# KiCad board EBAZ4205.kicad_pcb (continued)
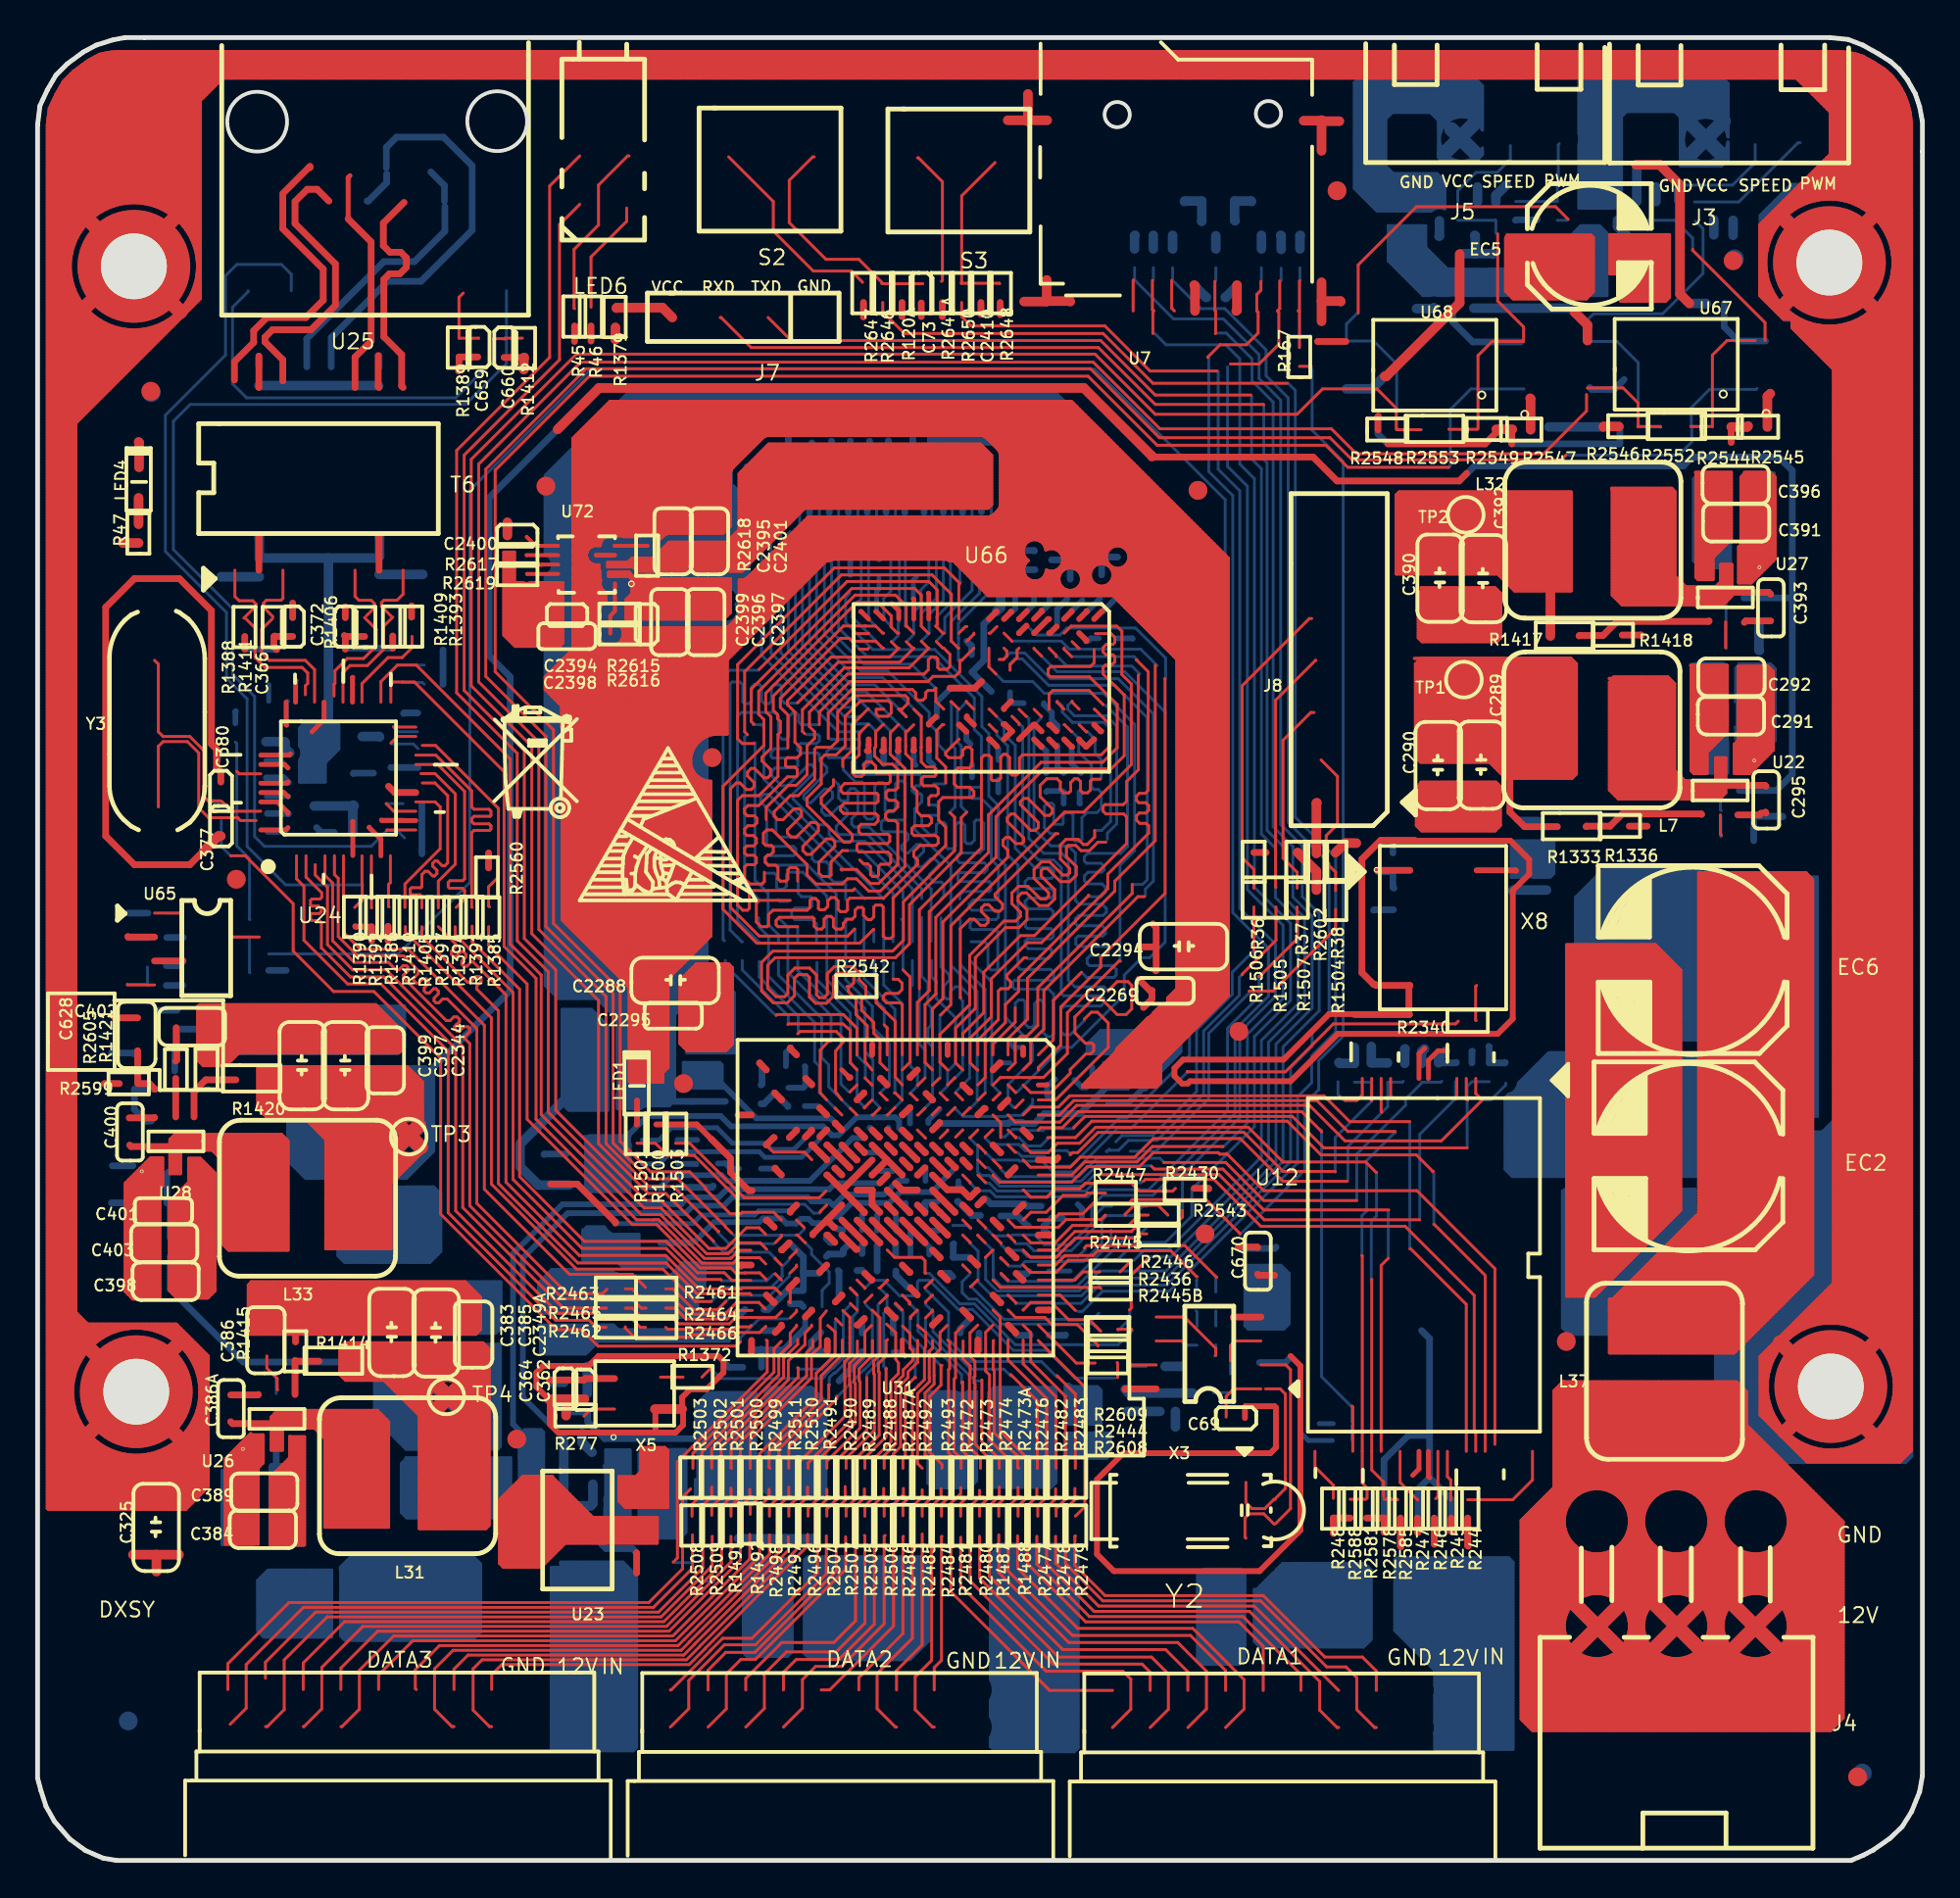
[diagram p0: board, top side]
## Routing (per net, layer and track width the routed paths; a pad name or vN(x,y) marks a point on that pad's centre or on a via; arc(x,y) is an arc through that point) (continued)
91.97,85.31 ; 95.58,52.4 99.7,52.4 ; 0.52,60.17 2.02,60.17 ; 0.52,75.41 2.02,75.41 ; 2.41,86.88 2.41,95.59 ; 95.58,56.66 99.7,56.66 ; 8.05,18.87 8.05,23.03 ; 95.4,91.26 99.7,91.26 ; 34.56,94.87 34.56,96.27 ; 0.52,87.29 2.77,87.29 ; 95.58,31.97 99.7,31.97 ; 56.2,94.87 56.2,96.27 ; 6.77,21.92 9.07,21.92 ; 0.52,72.82 2.02,72.82 ; 0.52,29.54 2.02,29.54 ; 0.52,48.74 2.02,48.74 ; 33.19,94.87 33.19,96.27 ; 84.86,94.87 84.86,96.27 ; 0.52,69.01 2.02,69.01 ; 93.24,82.04 93.24,82.39 ; 95.83,21.22 95.83,21.86 ; 93.7,94.78 93.7,96.27 ; 25.42,94.87 25.42,96.27 ; 48.13,94.87 48.13,96.27 ; 98.11,87.02 98.11,95.44 ; 95.4,92.63 99.69,92.63 ; 95.58,54.53 99.7,54.53 ; 8.29,83.64 8.65,83.64 ; 0.52,53.77 2.02,53.77 ; 95.58,37.92 99.7,37.92 ; 95.58,31.67 99.7,31.67 ; 95.58,61.39 99.7,61.39 ; 0.52,49.96 2.02,49.96 ; 95.09,90.5 99.7,90.5 ; 62.15,94.87 62.15,96.27 ; 0.63,93.24 8.65,93.24 ; 98.67,85.77 99.7,85.77 ; 73.27,94.87 73.27,96.27 ; 25.12,94.87 25.12,96.27 ; 7.59,82.07 7.59,82.52 ; 95.58,40.66 99.7,40.66 ; 95.4,91.71 99.7,91.71 ; 37.15,94.87 37.15,96.27 ; 95.58,41.57 99.7,41.57 ; 57.58,94.87 57.58,96.27 ; 93.02,22.37 93.59,22.37 ; 91.71,83.24 91.71,87.11 ; 7.11,87.6 8.65,87.6 ; 95.58,60.47 99.7,60.47 ; 91.93,83.03 92.62,83.03 ; 98.77,24.66 99.7,24.66 ; 53.77,94.87 53.77,96.27 ; 45.08,94.87 45.08,96.27 ; 0.52,87.45 2.94,87.45 ; 0.52,78.3 3.82,78.3 ; 54.07,94.87 54.07,96.27 ; 42.64,94.87 42.64,96.27 ; 95.58,37.16 99.7,37.16 ; 92.56,22.83 93.02,22.83 ; 0.52,54.53 2.02,54.53 ; 8.35,19.17 8.35,23.57 ; 91.65,86.69 92.38,86.69 ; 0.52,19.17 8.35,19.17 ; 30.91,94.87 30.91,96.27 ; 0.52,60.32 2.02,60.32 ; 93.85,28.23 93.85,28.99 ; 83.18,94.87 83.18,96.27 ; 3.93,78.41 3.93,81.67 ; 92.93,87.43 92.93,88.33 ; 35.78,94.87 35.78,96.27 ; 95.58,68.7 99.7,68.7 ; 0.52,37.16 2.02,37.16 ; 8.5,85.16 8.65,85.16 ; 8.2,86.29 8.2,96.27 ; 61.39,94.87 61.39,96.27 ; 94.52,80.44 99.7,80.44 ; 95.22,88.44 95.22,90.62 ; 58.8,94.87 58.8,96.27 ; 6.22,80.7 6.22,81.64 ; 98.5,83.79 99.7,83.79 ; 81.5,94.87 81.5,96.27 ; 91.71,94.87 91.71,96.27 ; 7,27.86 8.06,27.86 ; 94.37,80.59 99.7,80.59 ; 2.11,95.37 98.22,95.37 ; 91.65,86.53 92.3,86.53 ; 31.97,94.87 31.97,96.27 ; 92.02,85.7 92.02,87.42 ; 91.96,23.44 92.54,23.44 ; 98.72,85.41 98.72,94.92 ; 0.52,76.93 2.45,76.93 ; 89.89,94.87 89.89,96.27 ; 26.64,94.87 26.64,96.27 ; 49.35,94.87 49.35,96.27 ; 95.58,61.54 99.7,61.54 ; 3.27,96.11 2.7,95.81 1.92,95.23 1.39,94.7 0.99,94.01 0.63,93.25 0.52,92.37 0.52,18.74 0.6,18.69 7.87,18.69 9.07,19.89 9.07,26.84 7.37,28.54 2.65,28.54 2.02,29.17 2.02,76.5 8.65,83.13 8.65,93.68 9.85,94.87 93.6,94.87 95.4,93.08 95.4,90.8 91.65,87.05 91.65,83.3 92.91,82.04 93.37,82.04 93.37,81.59 95.58,79.38 95.58,30.72 91.68,26.82 91.68,23.72 94.18,21.22 99.1,21.22 99.7,21.82 99.7,92.33 ; 97.89,27.55 99.7,27.55 ; 0.52,72.51 2.02,72.51 ; 59.1,94.87 59.1,96.27 ; 98.48,23.74 99.7,23.74 ; 67.18,94.87 67.18,96.27 ; 0.52,21.76 4.08,21.76 ; 0.52,24.81 1.86,24.81 ; 0.52,86.84 2.37,86.84 ; 0.52,77.69 3.21,77.69 ; 51.63,94.87 51.63,96.27 ; 45.54,94.87 45.54,96.27 ; 0.52,78.46 3.97,78.46 ; 10.64,94.87 10.64,96.27 ; 28.32,94.87 28.32,96.27 ; 65.04,94.87 65.04,96.27 ; 95.58,44.78 99.7,44.78 ; 94.3,94.17 94.3,96.27 ; 0.52,83.33 2.09,83.33 ; 92.26,23.13 92.75,23.13 ; 29.23,94.87 29.23,96.27 ; 0.52,47.82 2.02,47.82 ; 93.71,94.76 98.85,94.76 ; 95.58,42.64 99.7,42.64 ; 0.52,84.09 1.82,84.09 ; 76.02,94.87 76.02,96.27 ; 17.65,94.87 17.65,96.27 ; 95.58,40.05 99.7,40.05 ; 0.52,80.59 6.11,80.59 ; 0.52,81.35 6.87,81.35 ; 95.58,56.81 99.7,56.81 ; 0.52,39.29 2.02,39.29 ; 96.13,88.35 96.13,96.26 ; 97.81,87.39 97.81,95.64 ; 0.52,79.22 4.74,79.22 ; 0.52,58.19 2.02,58.19 ; 93.7,81.26 93.7,82.09 ; 0.58,18.71 0.58,92.82 ; 95.58,34.56 99.7,34.56 ; 95.58,33.19 99.7,33.19 ; 55.6,94.87 55.6,96.27 ; 0.52,35.78 2.02,35.78 ; 95.58,62.45 99.7,62.45 ; 57.27,94.87 57.27,96.27 ; 5.15,18.69 5.15,21.56 ; 89.58,94.87 89.58,96.27 ; 51.02,94.87 51.02,96.27 ; 0.52,56.2 2.02,56.2 ; 0.52,71.75 2.02,71.75 ; 0.52,62.15 2.02,62.15 ; 5.15,28.34 5.15,28.54 ; 75.1,94.87 75.1,96.27 ; 0.52,51.94 2.02,51.94 ; 95.58,67.94 99.7,67.94 ; 2.86,77.35 2.86,82.32 ; 27.1,94.87 27.1,96.27 ; 94.61,88.36 94.61,90.01 ; 48.74,94.87 48.74,96.27 ; 0.52,91.1 8.65,91.1 ; 0.52,79.37 4.89,79.37 ; 0.52,47.37 2.02,47.37 ; 95.58,63.67 99.7,63.67 ; 95.58,45.69 99.7,45.69 ; 18.71,94.87 18.71,96.27 ; 6.98,87.69 6.98,96.27 ; 0.52,52.55 2.02,52.55 ; 52.24,94.87 52.24,96.27 ; 95.58,60.78 99.7,60.78 ; 91.56,94.87 91.56,96.27 ; 95.58,59.25 99.7,59.25 ; 95.58,75.26 99.7,75.26 ; 96.29,21.22 96.29,21.94 ; 92.78,87.27 92.78,88.18 ; 94.7,29.84 99.7,29.84 ; 9.27,94.29 9.27,96.27 ; 95.58,47.52 99.7,47.52 ; 95.58,59.1 99.7,59.1 ; 94.91,93.56 94.91,96.27 ; 95.58,55.29 99.7,55.29 ; 13.99,94.87 13.99,96.27 ; 0.52,35.94 2.02,35.94 ; 64.13,94.87 64.13,96.27 ; 77.08,94.87 77.08,96.27 ; 96.29,28.51 96.29,81.79 ; 96.74,21.22 96.74,22.1 ; 0.52,89.58 8.65,89.58 ; 0.52,58.03 2.02,58.03 ; 0.52,82.88 2.37,82.88 ; 0.52,45.84 2.02,45.84 ; 17.19,94.87 17.19,96.27 ; 91.65,83.33 92.42,83.33 ; 0.52,68.7 2.02,68.7 ; 0.52,75.56 2.02,75.56 ; 37.61,94.87 37.61,96.27 ; 94.3,21.22 94.3,22.02 ; 0.52,83.03 2.26,83.03 ; 7.43,27.55 8.36,27.55 ; 91.65,84.4 92.02,84.4 ; 94.18,89.58 99.7,89.58 ; 3.63,78.11 3.63,81.8 ; 95.58,35.33 99.7,35.33 ; 47.67,94.87 47.67,96.27 ; 98.55,23.9 99.7,23.9 ; 24.35,94.87 24.35,96.27 ; 27.55,94.87 27.55,96.27 ; 0.52,54.07 2.02,54.07 ; 0.52,38.22 2.02,38.22 ; 95.58,66.57 99.7,66.57 ; 7.13,81.61 7.13,82.11 ; 95.58,65.04 99.7,65.04 ; 0.52,79.98 5.5,79.98 ; 0.52,88.36 8.65,88.36 ; 14.6,94.87 14.6,96.27 ; 92.87,22.52 93.37,22.52 ; 47.82,94.87 47.82,96.27 ; 11.25,94.87 11.25,96.27 ; 15.36,94.87 15.36,96.27 ; 0.52,20.7 9.07,20.7 ; 95.58,51.18 99.7,51.18 ; 95.58,79.37 99.7,79.37 ; 50.72,94.87 50.72,96.27 ; 97.2,21.22 97.2,22.33 ; 95.58,35.48 99.7,35.48 ; 94.06,80.89 99.7,80.89 ; 98.7,85.62 99.7,85.62 ; 49.96,94.87 49.96,96.27 ; 0.52,80.74 6.26,80.74 ; 7.74,82.22 7.74,82.69 ; 2.56,18.69 2.56,22.88 ; 28.62,94.87 28.62,96.27 ; 95.58,60.02 99.7,60.02 ; 5.91,18.69 5.91,21.62 ; 0.52,22.22 3.23,22.22 ; 47.98,94.87 47.98,96.27 ; 0.52,45.54 2.02,45.54 ; 95.4,90.95 99.7,90.95 ; 0.52,23.44 2.21,23.44 ; 95.58,55.14 99.7,55.14 ; 95.58,61.84 99.7,61.84 ; 5.76,28.31 5.76,28.54 ; 0.52,22.37 3.04,22.37 ; 91.65,85.92 92.07,85.92 ; 95.58,46.15 99.7,46.15 ; 39.59,94.87 39.59,96.27 ; 0.52,73.73 2.02,73.73 ; 0.52,88.51 8.65,88.51 ; 95.58,74.04 99.7,74.04 ; 95.22,93.26 95.22,96.27 ; 31.06,94.87 31.06,96.27 ; 94.21,80.74 99.7,80.74 ; 92.48,94.87 92.48,96.27 ; 12.62,94.87 12.62,96.27 ; 98.57,86.12 98.57,95.08 ; 95.58,37.76 99.7,37.76 ; 44.32,94.87 44.32,96.27 ; 35.33,94.87 35.33,96.27 ; 0.52,33.8 2.02,33.8 ; 0.52,31.36 2.02,31.36 ; 92.72,22.68 93.18,22.68 ; 0.52,35.17 2.02,35.17 ; 0.52,54.38 2.02,54.38 ; 26.94,94.87 26.94,96.27 ; 95.58,69.92 99.7,69.92 ; 0.52,24.2 1.94,24.2 ; 95.58,50.57 99.7,50.57 ; 95.58,66.26 99.7,66.26 ; 0.52,77.39 2.91,77.39 ; 11.86,94.87 11.86,96.27 ; 95.58,69.01 99.7,69.01 ; 0.52,66.26 2.02,66.26 ; 95.58,51.63 99.7,51.63 ; 0.52,70.53 2.02,70.53 ; 8.59,25.57 9.07,25.57 ; 5.69,81.5 7.02,81.5 ; 95.58,30.75 99.7,30.75 ; 32.58,94.87 32.58,96.27 ; 63.67,94.87 63.67,96.27 ; 0.52,57.88 2.02,57.88 ; 9.57,94.6 9.57,96.27 ; 80.74,94.87 80.74,96.27 ; 0.52,35.02 2.02,35.02 ; 0.52,28.62 2.57,28.62 ; 91.87,94.87 91.87,96.27 ; 41.12,94.87 41.12,96.27 ; 0.52,41.27 2.02,41.27 ; 11.55,94.87 11.55,96.27 ; 0.52,61.84 2.02,61.84 ; 36.24,94.87 36.24,96.27 ; 93.24,94.87 93.24,96.27 ; 95.58,70.68 99.7,70.68 ; 0.52,67.79 2.02,67.79 ; 20.24,94.87 20.24,96.27 ; 95.58,46.76 99.7,46.76 ; 0.52,21.15 9.07,21.15 ; 91.41,94.87 91.41,96.27 ; 0.52,85.92 1.91,85.92 ; 0.73,18.69 0.73,93.47 ; 0.52,89.28 8.65,89.28 ; 95.58,71.29 99.7,71.29 ; 0.52,23.13 2.38,23.13 ; 0.52,40.97 2.02,40.97 ; 32.74,94.87 32.74,96.27 ; 95.58,67.64 99.7,67.64 ; 84.25,94.87 84.25,96.27 ; 94.46,80.5 94.46,81.78 ; 22.83,94.87 22.83,96.27 ; 22.98,94.87 22.98,96.27 ; 0.52,75.86 2.02,75.86 ; 95.58,70.23 99.7,70.23 ; 91.8,26.94 92.5,26.94 ; 94.63,93.85 99.39,93.85 ; 0.52,67.94 2.02,67.94 ; 0.52,42.03 2.02,42.03 ; 95.58,70.38 99.7,70.38 ; 94.97,79.98 99.7,79.98 ; 0.52,25.57 1.91,25.57 ; 0.52,34.56 2.02,34.56 ; 0.52,27.71 3.27,27.71 ; 95.58,75.71 99.7,75.71 ; 0.52,63.52 2.02,63.52 ; 53.61,94.87 53.61,96.27 ; 0.52,25.73 1.95,25.73 ; 60.32,94.87 60.32,96.27 ; 4.54,18.69 4.54,21.63 ; 77.85,94.87 77.85,96.27 ; 98.36,83.48 99.7,83.48 ; 92.63,87.08 92.63,88.03 ; 0.52,31.82 2.02,31.82 ; 7.64,82.57 8.09,82.57 ; 8.05,86.58 8.05,96.27 ; 56.81,94.87 56.81,96.27 ; 91.68,25.88 92.09,25.88 ; 9.42,94.45 9.42,96.27 ; 0.52,56.36 2.02,56.36 ; 98.42,21.22 98.42,23.63 ; 0.52,82.27 2.93,82.27 ; 91.87,83.09 91.87,87.27 ; 98.27,86.78 98.27,95.34 ; 95.58,72.36 99.7,72.36 ; 95.98,88.38 95.98,96.27 ; 95.58,63.22 99.7,63.22 ; 93.39,94.87 93.39,96.27 ; 0.52,73.58 2.02,73.58 ; 0.52,33.65 2.02,33.65 ; 91.68,26.03 92.13,26.03 ; 8.51,84.55 8.65,84.55 ; 4.54,88.19 4.54,96.27 ; 92.63,27.15 92.63,27.77 ; 68.85,94.87 68.85,96.27 ; 0.52,24.35 1.91,24.35 ; 94.67,80.28 99.7,80.28 ; 74.04,94.87 74.04,96.27 ; 17.95,94.87 17.95,96.27 ; 95.58,62.76 99.7,62.76 ; 97.26,22.37 99.7,22.37 ; 0.52,37.92 2.02,37.92 ; 95.58,74.65 99.7,74.65 ; 0.52,84.55 1.74,84.55 ; 93.39,22 93.39,22.51 ; 0.52,90.5 8.65,90.5 ; 43.1,94.87 43.1,96.27 ; 70.07,94.87 70.07,96.27 ; 34.41,94.87 34.41,96.27 ; 95.58,62.61 99.7,62.61 ; 28.77,94.87 28.77,96.27 ; 95.58,49.04 99.7,49.04 ; 42.34,94.87 42.34,96.27 ; 95.58,74.19 99.7,74.19 ; 61.08,94.87 61.08,96.27 ; 81.2,94.87 81.2,96.27 ; 0.52,53.31 2.02,53.31 ; 15.21,94.87 15.21,96.27 ; 6.52,81 6.52,81.76 ; 8.43,85.62 8.65,85.62 ; 46.15,94.87 46.15,96.27 ; 0.52,29.38 2.02,29.38 ; 95.58,75.1 99.7,75.1 ; 95.58,38.68 99.7,38.68 ; 0.52,72.21 2.02,72.21 ; 95.68,28.61 95.68,81.67 ; 95.52,79.43 95.52,81.66 ; 37.46,94.87 37.46,96.27 ; 0.52,19.63 8.81,19.63 ; 40.2,94.87 40.2,96.27 ; 61.69,94.87 61.69,96.27 ; 7.32,82.27 7.78,82.27 ; 77.54,94.87 77.54,96.27 ; 1.34,18.69 1.34,94.62 ; 0.52,56.66 2.02,56.66 ; 43.71,94.87 43.71,96.27 ; 93.87,94.61 98.97,94.61 ; 43.56,94.87 43.56,96.27 ; 95.68,21.22 95.68,21.84 ; 5.91,80.39 5.91,81.55 ; 0.52,42.95 2.02,42.95 ; 95.58,62.3 99.7,62.3 ; 95.98,28.57 95.98,81.72 ; 0.52,21.46 9.07,21.46 ; 6.67,28.03 6.67,28.54 ; 98.78,25.73 99.7,25.73 ; 95.58,51.79 99.7,51.79 ; 97.75,87.45 99.7,87.45 ; 0.52,43.56 2.02,43.56 ; 0.52,66.57 2.02,66.57 ; 30.14,94.87 30.14,96.27 ; 0.52,79.07 4.58,79.07 ; 5.46,18.69 5.46,21.56 ; 2.71,18.69 2.71,22.7 ; 7.13,18.69 7.13,22.13 ; 0.52,51.18 2.02,51.18 ; 7.99,83.03 8.55,83.03 ; 0.52,59.56 2.02,59.56 ; 0.52,31.67 2.02,31.67 ; 97.81,27.64 97.81,82.71 ; 97.19,87.9 99.7,87.9 ; 8.01,22.98 9.07,22.98 ; 8.64,25.12 9.07,25.12 ; 95.58,41.88 99.7,41.88 ; 84.55,94.87 84.55,96.27 ; 91.65,85.62 92,85.62 ; 0.52,51.33 2.02,51.33 ; 8.39,83.94 8.65,83.94 ; 1.95,86.05 1.95,95.25 ; 36.09,94.87 36.09,96.27 ; 95.58,51.33 99.7,51.33 ; 7.59,18.69 7.59,22.49 ; 3.63,87.9 3.63,96.2 ; 92.2,87.6 93.11,87.6 ; 13.84,94.87 13.84,96.27 ; 6.67,87.87 6.67,96.27 ; 94.91,28.58 94.91,30.06 ; 95.58,65.65 99.7,65.65 ; 95.58,57.73 99.7,57.73 ; 10.33,94.87 10.33,96.27 ; 0.52,91.56 8.65,91.56 ; 98.73,85.31 99.7,85.31 ; 95.43,79.52 99.7,79.52 ; 98.68,84.4 99.7,84.4 ; 92.17,82.78 92.17,83.86 ; 96.13,28.54 96.13,81.75 ; 8.28,26.49 9.07,26.49 ; 40.96,94.87 40.96,96.27 ; 7.75,27.25 8.67,27.25 ; 0.52,62.91 2.02,62.91 ; 77.69,94.87 77.69,96.27 ; 92.32,94.87 92.32,96.27 ; 42.95,94.87 42.95,96.27 ; 95.58,44.93 99.7,44.93 ; 5,88.24 5,96.27 ; 54.68,94.87 54.68,96.27 ; 95.58,45.08 99.7,45.08 ; 53.31,94.87 53.31,96.27 ; 0.52,86.69 2.27,86.69 ; 3.78,78.26 3.78,81.73 ; 97.67,22.68 99.7,22.68 ; 95.58,63.37 99.7,63.37 ; 79.52,94.87 79.52,96.27 ; 0.52,45.69 2.02,45.69 ; 64.74,94.87 64.74,96.27 ; 95.58,73.27 99.7,73.27 ; 0.52,80.28 5.8,80.28 ; 0.52,76.32 2.02,76.32 ; 97.74,27.71 99.7,27.71 ; 8.64,24.81 9.07,24.81 ; 94.91,80.04 94.91,81.68 ; 75.25,94.87 75.25,96.27 ; 0.52,56.51 2.02,56.51 ; 98.74,24.51 99.7,24.51 ; 0.52,62.61 2.02,62.61 ; 8.63,24.66 9.07,24.66 ; 32.28,94.87 32.28,96.27 ; 95.58,33.04 99.7,33.04 ; 4.85,88.23 4.85,96.27 ; 39.75,94.87 39.75,96.27 ; 0.52,49.5 2.02,49.5 ; 96.42,28.47 99.7,28.47 ; 98.02,87.14 99.7,87.14 ; 33.04,94.87 33.04,96.27 ; 5.46,88.23 5.46,96.27 ; 95.58,67.18 99.7,67.18 ; 95.58,53.61 99.7,53.61 ; 95.58,39.14 99.7,39.14 ; 95.58,42.03 99.7,42.03 ; 95.58,41.42 99.7,41.42 ; 89.73,94.87 89.73,96.27 ; 95.58,42.95 99.7,42.95 ; 0.52,49.04 2.02,49.04
  Top w0.762: 2.07,82.2 7.65,87.78 ; 2.12,22.12 7.5,27.49 ; 92.98,22.79 98.15,27.97 ; 1.57,28.44 8.05,21.97 ; 92.88,82.73 98.37,88.23 ; 1.92,88.1 7.6,82.43 ; 92.73,27.57 98.07,22.22 ; 92.7,87.6 98.72,81.58
  In1.Cu w0.178: 1.04,18.72 1.04,94.03 ; 0.52,80.28 7.08,80.28 ; 0.52,34.41 2,34.41 ; 0.52,44.17 2,44.17 ; 7.74,27.1 7.74,28.67 ; 0.52,28.32 8.85,28.32 ; 0.52,33.35 2,33.35 ; 2.56,26.85 2.56,28.76 ; 7.13,27.65 7.13,28.67 ; 0.52,39.44 2,39.44 ; 0.52,64.89 2,64.89 ; 7.59,18.72 7.59,22.63 ; 0.52,91.26 8.6,91.26 ; 0.52,30.14 2,30.14 ; 0.52,31.67 2,31.67 ; 0.52,42.49 2,42.49 ; 0.52,60.47 2,60.47 ; 0.52,65.35 2,65.35 ; 0.52,57.12 2,57.12 ; 0.52,43.86 2,43.86 ; 6.68,87.75 8.6,87.75 ; 8.2,81.4 8.2,83.67 ; 0.52,78 4.79,78 ; 0.52,39.75 2,39.75 ; 7.87,26.94 9.05,26.94 ; 0.52,19.78 9.05,19.78 ; 1.65,18.72 1.65,94.97 ; 6.22,18.72 6.22,21.8 ; 4.24,77.44 4.24,81.68 ; 0.52,49.65 2,49.65 ; 0.52,38.53 2,38.53 ; 0.52,33.65 2,33.65 ; 7.45,27.4 9.05,27.4 ; 8.51,24.51 9.05,24.51 ; 0.52,68.24 2,68.24 ; 4.24,18.72 4.24,21.82 ; 0.52,71.9 2,71.9 ; 6.37,18.72 6.37,21.85 ; 0.52,21.76 4.43,21.76 ; 0.52,63.67 2,63.67 ; 3.17,18.72 3.17,22.4 ; 0.52,91.1 8.6,91.1 ; 0.52,93.21 0.52,18.72 8.65,18.72 9.05,19.12 9.05,28.12 8.5,28.67 2.65,28.67 2,29.32 2,75.21 8.6,81.8 8.6,95.72 ; 0.52,44.93 2,44.93 ; 0.52,80.74 7.54,80.74 ; 0.52,20.39 9.05,20.39 ; 0.52,25.42 1.99,25.42 ; 0.52,78.46 5.25,78.46 ; 0.52,54.07 2,54.07 ; 0.52,65.65 2,65.65 ; 0.52,35.33 2,35.33 ; 0.52,38.68 2,38.68 ; 0.52,38.07 2,38.07 ; 0.52,60.02 2,60.02 ; 7.34,82.42 8.6,82.42 ; 0.52,76.93 3.73,76.93 ; 0.52,81.35 8.15,81.35 ; 0.52,28.93 2.39,28.93 ; 0.52,77.24 4.03,77.24 ; 0.52,70.38 2,70.38 ; 0.52,20.09 9.05,20.09 ; 8.17,23.44 9.05,23.44 ; 0.52,22.68 2.87,22.68 ; 0.52,32.28 2,32.28 ; 0.52,60.93 2,60.93 ; 0.52,48.59 2,48.59 ; 0.52,70.07 2,70.07 ; 8.24,83.79 8.6,83.79 ; 0.52,66.72 2,66.72 ; 0.52,65.04 2,65.04 ; 5,28.23 5,28.67 ; 0.52,25.27 1.97,25.27 ; 5.61,18.72 5.61,21.68 ; 0.52,87.29 2.92,87.29 ; 0.52,22.98 2.61,22.98 ; 0.52,19.02 8.95,19.02 ; 0.52,44.78 2,44.78 ; 0.52,54.83 2,54.83 ; 8.2,18.72 8.2,23.49 ; 2.41,86.71 2.41,95.34 ; 0.52,59.56 2,59.56 ; 0.52,68.85 2,68.85 ; 0.52,61.39 2,61.39 ; 0.52,68.7 2,68.7 ; 0.52,37 2,37 ; 2.1,25.92 2.1,29.21 ; 0.52,76.32 3.12,76.32 ; 0.52,41.27 2,41.27 ; 0.52,34.56 2,34.56 ; 0.52,33.95 2,33.95 ; 0.52,31.52 2,31.52 ; 0.52,70.99 2,70.99 ; 0.52,47.98 2,47.98 ; 0.52,60.78 2,60.78 ; 0.52,39.59 2,39.59 ; 0.52,21.92 3.97,21.92 ; 0.52,60.62 2,60.62 ; 8.29,85.77 8.6,85.77 ; 0.52,53.46 2,53.46 ; 5.61,78.81 5.61,81.59 ; 0.52,52.85 2,52.85 ; 8.36,26.03 9.05,26.03 ; 6.37,79.58 6.37,81.8 ; 4.39,18.72 4.39,21.77 ; 0.52,33.04 2,33.04 ; 0.52,52.4 2,52.4 ; 3.02,76.22 3.02,82.32 ; 8.16,26.49 9.05,26.49 ; 0.52,28.77 2.54,28.77 ; 0.52,45.69 2,45.69 ; 8.5,18.72 8.5,24.45 ; 6.22,87.96 6.22,96.21 ; 8.18,86.08 8.6,86.08 ; 7.75,86.84 8.6,86.84 ; 0.52,45.99 2,45.99 ; 5.91,18.72 5.91,21.73 ; 0.52,29.69 2,29.69 ; 0.52,85.62 1.92,85.62 ; 0.52,73.27 2,73.27 ; 3.47,76.68 3.47,82 ; 2.56,86.91 2.56,95.42 ; 0.52,20.85 9.05,20.85 ; 0.52,81.66 4.33,81.66 ; 0.52,46.6 2,46.6 ; 7.09,22.22 9.05,22.22 ; 0.52,78.3 5.1,78.3 ; 0.52,74.49 2,74.49 ; 0.52,53.77 2,53.77 ; 3.78,27.9 3.78,28.67 ; 0.52,43.56 2,43.56 ; 8.54,25.12 9.05,25.12 ; 0.52,45.38 2,45.38 ; 8.05,86.37 8.05,96.28 ; 0.52,55.6 2,55.6 ; 4.54,77.75 4.54,81.61 ; 0.52,76.78 3.57,76.78 ; 0.52,83.03 2.38,83.03 ; 0.52,58.34 2,58.34 ; 8.35,18.72 8.35,23.85 ; 2.1,18.72 2.1,23.98 ; 0.52,42.34 2,42.34 ; 2.15,95.22 8.6,95.22 ; 0.52,26.18 2.2,26.18 ; 0.52,63.83 2,63.83 ; 0.52,56.2 2,56.2 ; 0.52,58.8 2,58.8 ; 5.92,81.66 8.45,81.66 ; 0.52,69.31 2,69.31 ; 0.52,37.76 2,37.76 ; 6.83,18.72 6.83,22.06 ; 0.52,87.75 3.57,87.75 ; 3.63,18.72 3.63,22.09 ; 0.52,86.23 2.14,86.23 ; 7.95,86.53 8.6,86.53 ; 6.67,79.88 6.67,81.95 ; 0.52,63.37 2,63.37 ; 8.54,24.96 9.05,24.96 ; 0.52,68.09 2,68.09 ; 4.85,88.13 4.85,96.06 ; 0.52,37.16 2,37.16 ; 0.52,88.67 8.6,88.67 ; 0.52,59.1 2,59.1 ; 0.52,58.95 2,58.95 ; 0.52,82.27 3.09,82.27 ; 0.52,47.67 2,47.67 ; 0.52,74.34 2,74.34 ; 0.52,26.49 2.34,26.49 ; 0.52,90.34 8.6,90.34 ; 7.48,22.52 9.05,22.52 ; 4.08,18.72 4.08,21.87 ; 0.52,92.17 8.6,92.17 ; 0.52,68.4 2,68.4 ; 0.52,73.73 2,73.73 ; 0.52,45.84 2,45.84 ; 0.52,84.55 1.85,84.55 ; 2.71,27.05 2.71,28.67 ; 4.69,28.19 4.69,28.67 ; 0.52,53.16 2,53.16 ; 5.76,88.08 5.76,96.16 ; 6.67,18.72 6.67,21.98 ; 4.08,77.29 4.08,81.73 ; 7.76,82.88 8.6,82.88 ; 0.52,67.94 2,67.94 ; 1.49,18.72 1.49,94.74 ; 8.05,26.69 8.05,28.67 ; 0.52,24.66 1.97,24.66 ; 0.52,29.38 2,29.38 ; 0.52,55.14 2,55.14 ; 0.52,82.57 2.75,82.57 ; 3.4,95.83 8.58,95.83 ; 1.34,18.72 1.34,94.5 ; 0.52,66.57 2,66.57 ; 0.88,18.72 0.88,93.8 ; 0.52,72.51 2,72.51 ; 6.07,28.14 6.07,28.67 ; 5.61,28.22 5.61,28.67 ; 0.52,28.62 8.54,28.62 ; 2.71,87.09 2.71,95.49 ; 0.52,88.51 8.6,88.51 ; 0.52,28.47 8.7,28.47 ; 3.17,76.38 3.17,82.2 ; 6.37,28.05 6.37,28.67 ; 5.91,28.17 5.91,28.67 ; 0.52,88.06 4.38,88.06 ; 6.98,87.57 6.98,96.29 ; 0.52,89.12 8.6,89.12 ; 0.52,31.82 2,31.82 ; 0.52,83.18 2.29,83.18 ; 0.52,85.92 2.01,85.92 ; 6.53,21.92 9.05,21.92 ; 6.98,18.72 6.98,22.15 ; 4.39,77.59 4.39,81.64 ; 4.39,88.06 4.39,96.01 ; 0.52,40.2 2,40.2 ; 7.74,18.72 7.74,22.8 ; 0.58,18.72 0.58,93.33 ; 0.52,78.15 4.94,78.15 ; 0.52,72.36 2,72.36 ; 3.02,18.72 3.02,22.53 ; 8.2,86.03 8.2,96.28 ; 0.52,35.02 2,35.02 ; 0.52,51.18 2,51.18 ; 5.46,28.24 5.46,28.67 ; 8.36,85.47 8.6,85.47 ; 0.52,40.97 2,40.97 ; 7.59,27.27 7.59,28.67 ; 0.52,58.03 2,58.03 ; 3.32,18.72 3.32,22.28 ; 0.52,49.35 2,49.35 ; 0.52,61.54 2,61.54 ; 7.28,27.54 7.28,28.67 ; 0.52,66.11 2,66.11 ; 0.52,41.88 2,41.88 ; 8.41,84.7 8.6,84.7 ; 5.46,78.66 5.46,81.57 ; 8.5,25.45 8.5,28.66 ; 7.44,18.72 7.44,22.49 ; 0.52,77.69 4.49,77.69 ; 0.52,46.15 2,46.15 ; 7.98,26.79 9.05,26.79 ; 0.52,26.79 2.52,26.79 ; 0.52,72.97 2,72.97 ; 7.89,26.91 7.89,28.67 ; 8.42,24.05 9.05,24.05 ; 6.67,87.75 6.67,96.26 ; 6.95,82.11 8.6,82.11 ; 0.52,88.97 8.6,88.97 ; 0.52,82.72 2.61,82.72 ; 8.53,25.27 9.05,25.27 ; 0.52,54.53 2,54.53 ; 0.52,31.06 2,31.06 ; 0.52,66.42 2,66.42 ; 0.52,91.56 8.6,91.56 ; 0.52,46.91 2,46.91 ; 0.52,40.51 2,40.51 ; 7.5,82.57 8.6,82.57 ; 0.52,67.33 2,67.33 ; 0.52,48.89 2,48.89 ; 0.52,57.88 2,57.88 ; 0.52,28.01 4.04,28.01 ; 3.93,77.14 3.93,81.78 ; 0.52,30.45 2,30.45 ; 0.52,30.6 2,30.6 ; 2.41,26.61 2.41,28.91 ; 0.52,59.41 2,59.41 ; 0.52,57.27 2,57.27 ; 8.66,18.73 8.66,28.51 ; 0.52,49.96 2,49.96 ; 0.52,78.76 5.55,78.76 ; 0.52,85.31 1.87,85.31 ; 0.52,56.05 2,56.05 ; 5.76,78.97 5.76,81.62 ; 8.33,84.09 8.6,84.09 ; 8.25,23.59 9.05,23.59 ; 0.52,80.13 6.93,80.13 ; 4.69,77.9 4.69,81.59 ; 0.52,44.47 2,44.47 ; 4.54,28.16 4.54,28.67 ; 0.52,77.08 3.88,77.08 ; 0.52,79.07 5.86,79.07 ; 0.52,72.05 2,72.05 ; 0.52,90.5 8.6,90.5 ; 0.52,21.31 9.05,21.31 ; 0.52,40.66 2,40.66 ; 0.52,60.32 2,60.32 ; 0.52,52.24 2,52.24 ; 0.52,55.44 2,55.44 ; 0.52,90.8 8.6,90.8 ; 1.21,94.3 8.6,94.3 ; 7.28,80.49 7.28,82.37 ; 0.52,52.09 2,52.09 ; 0.52,19.48 9.05,19.48 ; 7.28,87.33 7.28,96.3 ; 7.74,86.85 7.74,96.29 ; 7.44,80.64 7.44,82.51 ; 0.52,23.44 2.33,23.44 ; 8.29,83.94 8.6,83.94 ; 1.01,94 8.6,94 ; 0.52,90.04 8.6,90.04 ; 3.93,87.92 3.93,95.96 ; 0.52,86.99 2.62,86.99 ; 0.52,47.06 2,47.06 ; 6.84,22.07 9.05,22.07 ; 0.52,79.83 6.62,79.83 ; 0.52,22.07 3.66,22.07 ; 0.52,62.45 2,62.45 ; 0.52,61.69 2,61.69 ; 0.52,80.59 7.38,80.59 ; 0.52,22.22 3.41,22.22 ; 0.52,23.59 2.25,23.59 ; 0.52,81.96 3.55,81.96 ; 0.52,67.18 2,67.18 ; 0.52,62.76 2,62.76 ; 0.52,56.66 2,56.66 ; 0.52,50.57 2,50.57 ; 0.52,22.37 3.2,22.37 ; 0.52,34.72 2,34.72 ; 0.52,47.21 2,47.21 ; 0.52,27.71 3.45,27.71 ; 5.15,28.24 5.15,28.67 ; 0.52,73.43 2,73.43 ; 7.63,22.68 9.05,22.68 ; 3.32,87.6 3.32,95.79 ; 0.52,70.84 2,70.84 ; 0.52,72.21 2,72.21 ; 0.52,46.3 2,46.3 ; 8.36,84.25 8.6,84.25 ; 4.69,18.72 4.69,21.71 ; 0.52,79.52 6.32,79.52 ; 5.3,88.14 5.3,96.11 ; 8.05,18.72 8.05,23.21 ; 8.4,84.55 8.6,84.55 ; 1.95,85.72 1.95,95.12 ; 4.54,88.09 4.54,96.03 ; 0.52,62 2,62 ; 6.83,27.84 6.83,28.67 ; 0.52,73.12 2,73.12 ; 0.52,35.78 2,35.78 ; 0.52,45.23 2,45.23 ; 7.15,87.45 8.6,87.45 ; 0.52,50.11 2,50.11 ; 0.52,86.38 2.21,86.38 ; 8.41,85.01 8.6,85.01 ; 4.08,87.97 4.08,95.98 ; 2.46,95.37 8.6,95.37 ; 0.52,21 9.05,21 ; 0.52,35.94 2,35.94 ; 3.78,87.85 3.78,95.94 ; 0.52,75.26 2.05,75.26 ; 0.52,57.42 2,57.42 ; 2.78,95.52 8.6,95.52 ; 0.52,79.22 6.01,79.22 ; 1.31,94.46 8.6,94.46 ; 0.52,24.2 2.04,24.2 ; 0.52,48.13 2,48.13 ; 0.52,45.08 2,45.08 ; 0.52,82.11 3.3,82.11 ; 5,78.2 5,81.56 ; 7.77,22.83 9.05,22.83 ; 0.52,43.71 2,43.71 ; 0.52,29.23 2.09,29.23 ; 0.52,62.15 2,62.15 ; 0.52,20.54 9.05,20.54 ; 0.52,18.87 8.79,18.87 ; 0.52,65.5 2,65.5 ; 2.86,87.24 2.86,95.57 ; 8.53,24.66 9.05,24.66 ; 0.52,48.74 2,48.74 ; 0.52,83.33 2.2,83.33 ; 1.61,94.91 8.6,94.91 ; 0.52,27.1 2.75,27.1 ; 7.89,81.1 7.89,83.07 ; 1.8,18.72 1.8,95.05 ; 0.52,88.82 8.6,88.82 ; 0.52,36.7 2,36.7 ; 8.45,25.73 9.05,25.73 ; 6.22,79.42 6.22,81.74 ; 0.52,89.58 8.6,89.58 ; 0.52,58.19 2,58.19 ; 7.87,83.03 8.6,83.03 ; 0.52,57.73 2,57.73 ; 0.52,41.57 2,41.57 ; 6.35,87.9 8.6,87.9 ; 6.83,80.03 6.83,82.03 ; 5.61,88.11 5.61,96.14 ; 3.02,87.38 3.02,95.64 ; 5.3,78.51 5.3,81.56 ; 3.47,87.7 3.47,95.86 ; 5.46,88.13 5.46,96.13 ; 2.26,18.72 2.26,23.58 ; 0.52,34.11 2,34.11 ; 0.52,44.01 2,44.01 ; 0.52,42.95 2,42.95 ; 5,88.14 5,96.08 ; 3.47,27.72 3.47,28.67 ; 0.52,73.58 2,73.58 ; 6.7,81.96 8.6,81.96 ; 0.52,76.47 3.27,76.47 ; 0.52,22.83 2.73,22.83 ; 0.52,83.64 2.06,83.64 ; 8.54,24.81 9.05,24.81 ; 8.6,95.75 8.5,96.27 7.05,96.3 3.6,95.92 1.65,94.97 0.53,93.26 ; 3.32,27.62 3.32,28.67 ; 0.52,78.61 5.4,78.61 ; 7.28,18.72 7.28,22.36 ; 0.52,42.03 2,42.03 ; 3.63,27.81 3.63,28.67 ; 0.52,74.95 2,74.95 ; 7.89,18.72 7.89,22.99 ; 0.52,74.8 2,74.8 ; 0.52,38.83 2,38.83 ; 0.73,18.72 0.73,93.57 ; 2.26,75.46 2.26,83.24 ; 0.52,44.62 2,44.62 ; 0.52,66.26 2,66.26 ; 0.52,26.94 2.63,26.94 ; 0.52,93.09 8.6,93.09 ; 7.16,82.27 8.6,82.27 ; 0.52,56.36 2,56.36 ; 0.52,29.54 2,29.54 ; 2.26,86.46 2.26,95.27 ; 4.12,95.98 8.55,95.98 ; 0.52,41.73 2,41.73 ; 4.85,28.22 4.85,28.67 ; 0.52,54.99 2,54.99 ; 0.52,74.65 2,74.65 ; 3.17,27.5 3.17,28.67 ; 0.52,73.88 2,73.88 ; 0.52,49.8 2,49.8 ; 0.52,67.64 2,67.64 ; 8.24,85.92 8.6,85.92 ; 0.52,36.09 2,36.09 ; 0.52,86.53 2.3,86.53 ; 6.98,80.19 6.98,82.13 ; 0.52,55.75 2,55.75 ; 6.52,79.73 6.52,81.87 ; 6.22,28.1 6.22,28.67 ; 0.52,42.18 2,42.18 ; 0.52,71.14 2,71.14 ; 4.08,28.03 4.08,28.67 ; 0.52,37.46 2,37.46 ; 0.52,76.17 2.96,76.17 ; 0.52,75.41 2.2,75.41 ; 0.52,35.63 2,35.63 ; 0.52,86.69 2.39,86.69 ; 0.52,51.63 2,51.63 ; 0.52,32.74 2,32.74 ; 7.13,87.46 7.13,96.3 ; 8.11,86.23 8.6,86.23 ; 0.52,70.68 2,70.68 ; 4.24,88.02 4.24,95.99 ; 0.52,29.99 2,29.99 ; 0.52,84.09 1.92,84.09 ; 0.52,61.84 2,61.84 ; 2.71,75.92 2.71,82.61 ; 0.52,92.02 8.6,92.02 ; 0.52,88.36 8.6,88.36 ; 7.3,22.37 9.05,22.37 ; 0.52,85.47 1.89,85.47 ; 0.52,64.59 2,64.59 ; 0.52,36.55 2,36.55 ; 0.52,71.29 2,71.29 ; 0.52,72.82 2,72.82 ; 0.52,30.3 2,30.3 ; 7.59,87.03 7.59,96.29 ; 2.1,75.31 2.1,83.54 ; 0.52,75.56 2.35,75.56 ; 0.52,58.64 2,58.64 ; 0.52,45.54 2,45.54 ; 2.56,75.77 2.56,82.79 ; 0.52,70.23 2,70.23 ; 0.52,92.48 8.6,92.48 ; 0.52,52.55 2,52.55 ; 0.52,83.94 1.96,83.94 ; 0.52,79.98 6.77,79.98 ; 0.52,64.28 2,64.28 ; 6.98,27.75 6.98,28.67 ; 0.52,56.51 2,56.51 ; 4.85,78.05 4.85,81.57 ; 0.52,65.81 2,65.81 ; 0.52,58.49 2,58.49 ; 0.52,49.5 2,49.5 ; 3.93,27.97 3.93,28.67 ; 0.52,25.73 2.05,25.73 ; 8.35,81.56 8.35,84.19 ; 7.74,80.95 7.74,82.85 ; 0.52,54.68 2,54.68 ; 7.05,27.71 9.05,27.71 ; 0.52,56.97 2,56.97 ; 0.52,76.63 3.42,76.63 ; 0.52,79.67 6.47,79.67 ; 0.52,78.91 5.71,78.91 ; 0.52,86.84 2.5,86.84 ; 7.61,27.25 9.05,27.25 ; 8.41,25.88 9.05,25.88 ; 8.33,85.62 8.6,85.62 ; 0.52,86.08 2.07,86.08 ; 0.52,90.19 8.6,90.19 ; 0.52,59.86 2,59.86 ; 8.35,85.51 8.35,96.28 ; 0.52,52.7 2,52.7 ; 0.52,51.48 2,51.48 ; 0.52,89.73 8.6,89.73 ; 8.81,18.88 8.81,28.36 ; 0.52,46.45 2,46.45 ; 7.89,22.98 9.05,22.98 ; 0.52,65.96 2,65.96 ; 0.52,62.91 2,62.91 ; 5.15,88.14 5.15,96.09 ; 0.52,81.05 7.84,81.05 ; 0.52,32.89 2,32.89 ; 0.52,89.43 8.6,89.43 ; 0.52,34.26 2,34.26 ; 0.52,43.4 2,43.4 ; 2.71,18.72 2.71,22.85 ; 0.52,24.35 2.01,24.35 ; 0.52,53.92 2,53.92 ; 0.52,85.16 1.85,85.16 ; 0.52,32.43 2,32.43 ; 8.04,86.38 8.6,86.38 ; 0.52,41.12 2,41.12 ; 8.46,24.2 9.05,24.2 ; 0.52,77.39 4.18,77.39 ; 3.09,95.68 8.6,95.68 ; 3.78,18.72 3.78,22 ; 8.09,23.29 9.05,23.29 ; 6.07,88 6.07,96.19 ; 0.52,84.86 1.83,84.86 ; 8.35,26.05 8.35,28.67 ; 0.62,93.39 8.6,93.39 ; 0.52,21.15 9.05,21.15 ; 0.52,33.5 2,33.5 ; 0.52,64.13 2,64.13 ; 0.52,71.75 2,71.75 ; 5.52,96.13 8.52,96.13 ; 0.52,37.61 2,37.61 ; 0.52,36.24 2,36.24 ; 0.52,50.72 2,50.72 ; 0.52,47.52 2,47.52 ; 0.52,75.86 2.66,75.86 ; 8.5,81.71 8.5,96.24 ; 0.91,93.85 8.6,93.85 ; 0.52,30.75 2,30.75 ; 6.38,81.81 8.6,81.81 ; 0.52,92.32 8.6,92.32 ; 0.52,24.96 1.96,24.96 ; 0.52,23.9 2.13,23.9 ; 0.52,50.87 2,50.87 ; 0.52,40.36 2,40.36 ; 6.37,87.9 6.37,96.23 ; 0.52,59.71 2,59.71 ; 0.52,90.95 8.6,90.95 ; 3.63,87.78 3.63,95.93 ; 0.52,50.26 2,50.26 ; 8.31,23.74 9.05,23.74 ; 0.52,21.61 9.05,21.61 ; 5.97,28.16 9,28.16 ; 0.52,69.62 2,69.62 ; 0.52,31.36 2,31.36 ; 7.59,80.8 7.59,82.67 ; 7.13,18.72 7.13,22.25 ; 8.19,83.64 8.6,83.64 ; 0.52,84.25 1.89,84.25 ; 0.52,48.43 2,48.43 ; 5.91,79.12 5.91,81.65 ; 0.52,87.45 3.1,87.45 ; 8.12,83.48 8.6,83.48 ; 0.52,39.14 2,39.14 ; 0.52,38.98 2,38.98 ; 7.44,27.41 7.44,28.67 ; 0.52,92.63 8.6,92.63 ; 0.52,74.04 2,74.04 ; 0.52,47.37 2,47.37 ; 0.52,19.63 9.05,19.63 ; 2.56,18.72 2.56,23.05 ; 0.52,40.05 2,40.05 ; 0.52,91.71 8.6,91.71 ; 0.52,44.32 2,44.32 ; 0.52,25.12 1.96,25.12 ; 0.52,46.76 2,46.76 ; 0.52,36.39 2,36.39 ; 4.85,18.72 4.85,21.68 ; 6.07,21.76 9.05,21.76 ; 3.17,87.5 3.17,95.72 ; 0.52,20.24 9.05,20.24 ; 4.39,28.13 4.39,28.67 ; 7.33,87.29 8.6,87.29 ; 0.52,87.14 2.76,87.14 ; 0.52,67.79 2,67.79 ; 2.86,27.22 2.86,28.67 ; 0.52,60.17 2,60.17 ; 1.84,95.07 8.6,95.07 ; 0.52,69.77 2,69.77 ; 0.52,48.28 2,48.28 ; 0.52,33.8 2,33.8 ; 3.32,76.53 3.32,82.1 ; 5.46,18.72 5.46,21.66 ; 0.52,84.4 1.86,84.4 ; 8.39,84.4 8.6,84.4 ; 0.52,36.85 2,36.85 ; 0.52,49.04 2,49.04 ; 0.52,61.08 2,61.08 ; 0.52,66.87 2,66.87 ; 0.52,29.84 2,29.84 ; 0.52,31.21 2,31.21 ; 1.51,94.76 8.6,94.76 ; 0.52,67.03 2,67.03 ; 5.76,28.2 5.76,28.67 ; 0.52,55.9 2,55.9 ; 6.94,87.6 8.6,87.6 ; 2.41,18.72 2.41,23.29 ; 0.52,33.19 2,33.19 ; 1.95,18.72 1.95,83.98 ; 0.52,54.38 2,54.38 ; 0.52,85.77 1.96,85.77 ; 0.52,85.01 1.84,85.01 ; 0.52,71.45 2,71.45 ; 0.52,23.13 2.5,23.13 ; 0.52,53.31 2,53.31 ; 0.52,19.32 9.05,19.32 ; 0.52,69.92 2,69.92 ; 0.52,23.29 2.41,23.29 ; 0.52,41.42 2,41.42 ; 1.19,18.72 1.19,94.27 ; 0.52,27.25 2.89,27.25 ; 0.52,70.53 2,70.53 ; 0.52,72.66 2,72.66 ; 0.52,81.5 8.3,81.5 ; 0.52,57.58 2,57.58 ; 0.52,64.43 2,64.43 ; 0.52,79.37 6.16,79.37 ; 7.86,86.69 8.6,86.69 ; 0.52,71.6 2,71.6 ; 8.05,81.25 8.05,83.33 8.6,83.33 ; 0.52,25.57 2.02,25.57 ; 6.07,79.27 6.07,81.7 ; 5.3,28.24 5.3,28.67 ; 4.69,88.11 4.69,96.04 ; 0.52,39.29 2,39.29 ; 0.52,20.7 9.05,20.7 ; 0.52,47.82 2,47.82 ; 0.52,68.55 2,68.55 ; 4.24,28.08 4.24,28.67 ; 0.52,83.48 2.13,83.48 ; 0.52,53 2,53 ; 8,23.13 9.05,23.13 ; 0.52,19.17 9.05,19.17 ; 0.52,80.44 7.23,80.44 ; 8.2,26.41 8.2,28.67 ; 0.52,42.79 2,42.79 ; 0.52,62.3 2,62.3 ; 8.96,19.03 8.96,28.2 ; 2.26,26.32 2.26,29.06 ; 8.37,23.9 9.05,23.9 ; 0.52,81.2 7.99,81.2 ; 0.52,50.41 2,50.41 ; 2.86,76.07 2.86,82.46 ; 0.52,89.89 8.6,89.89 ; 6.07,18.72 6.07,21.76 ; 8.48,25.57 9.05,25.57 ; 5.3,18.72 5.3,21.66 ; 0.52,26.33 2.26,26.33 ; 0.52,25.88 2.09,25.88 ; 0.52,43.25 2,43.25 ; 0.52,53.61 2,53.61 ; 0.52,51.94 2,51.94 ; 3.63,76.83 3.63,81.92 ; 0.52,27.4 3.05,27.4 ; 7.75,27.1 9.05,27.1 ; 7.89,86.63 7.89,96.29 ; 0.52,55.29 2,55.29 ; 0.52,81.81 3.87,81.81 ; 0.52,54.22 2,54.22 ; 0.52,59.25 2,59.25 ; 0.52,32.58 2,32.58 ; 8.24,26.33 9.05,26.33 ; 0.52,37.31 2,37.31 ; 0.52,77.54 4.34,77.54 ; 7.96,83.18 8.6,83.18 ; 3.78,76.99 3.78,81.85 ; 5.15,78.36 5.15,81.56 ; 1.11,94.15 8.6,94.15 ; 8.42,84.86 8.6,84.86 ; 0.52,87.6 3.31,87.6 ; 0.52,22.52 3.02,22.52 ; 0.72,93.54 8.6,93.54 ; 7.44,87.19 7.44,96.29 ; 7.26,27.55 9.05,27.55 ; 0.52,65.2 2,65.2 ; 0.52,39.9 2,39.9 ; 0.52,38.37 2,38.37 ; 0.52,62.61 2,62.61 ; 5.87,88.06 8.6,88.06 ; 0.81,93.7 8.6,93.7 ; 5,18.72 5,21.67 ; 8.38,85.31 8.6,85.31 ; 0.52,30.91 2,30.91 ; 3.47,18.72 3.47,22.18 ; 0.52,38.22 2,38.22 ; 6.52,27.99 6.52,28.67 ; 0.52,29.08 2.24,29.08 ; 0.52,74.19 2,74.19 ; 0.52,83.79 2.01,83.79 ; 8.51,25.42 9.05,25.42 ; 0.52,63.98 2,63.98 ; 3.93,18.72 3.93,21.93 ; 0.52,92.93 8.6,92.93 ; 6.52,18.72 6.52,21.91 ; 8.3,26.18 9.05,26.18 ; 0.52,43.1 2,43.1 ; 6.52,87.83 6.52,96.24 ; 0.52,42.64 2,42.64 ; 5.91,88.05 5.91,96.18 ; 0.52,69.46 2,69.46 ; 0.52,27.86 3.71,27.86 ; 0.52,34.87 2,34.87 ; 6.92,96.29 7.83,96.29 ; 0.52,82.88 2.49,82.88 ; 0.52,88.21 8.6,88.21 ; 0.52,37.92 2,37.92 ; 0.52,26.64 2.42,26.64 ; 6.79,27.86 9.05,27.86 ; 0.52,82.42 2.91,82.42 ; 1.41,94.61 8.6,94.61 ; 0.52,69.01 2,69.01 ; 3.02,27.37 3.02,28.67 ; 0.52,51.33 2,51.33 ; 0.52,75.71 2.51,75.71 ; 0.52,24.81 1.96,24.81 ; 0.52,92.78 8.6,92.78 ; 0.52,80.89 7.69,80.89 ; 6.46,28.01 9.05,28.01 ; 7.49,87.14 8.6,87.14 ; 0.52,31.97 2,31.97 ; 0.52,76.02 2.81,76.02 ; 8.49,24.35 9.05,24.35 ; 2.1,86.16 2.1,95.2 ; 0.52,91.87 8.6,91.87 ; 0.52,49.19 2,49.19 ; 0.52,63.22 2,63.22 ; 0.52,87.9 3.9,87.9 ; 0.52,56.81 2,56.81 ; 0.52,51.02 2,51.02 ; 0.52,91.41 8.6,91.41 ; 0.52,75.1 2,75.1 ; 0.52,28.16 4.53,28.16 ; 6.67,27.92 6.67,28.67 ; 8.4,85.16 8.6,85.16 ; 0.52,69.16 2,69.16 ; 0.52,40.81 2,40.81 ; 7.13,80.34 7.13,82.24 ; 2.86,18.72 2.86,22.68 ; 0.52,77.85 4.64,77.85 ; 0.52,84.7 1.84,84.7 ; 7.63,86.99 8.6,86.99 ; 0.52,90.65 8.6,90.65 ; 0.52,63.06 2,63.06 ; 0.52,89.28 8.6,89.28 ; 0.52,26.03 2.14,26.03 ; 0.52,23.74 2.19,23.74 ; 0.52,63.52 2,63.52 ; 2.41,75.61 2.41,82.99 ; 0.52,64.74 2,64.74 ; 0.52,24.05 2.08,24.05 ; 6.83,87.67 6.83,96.28 ; 0.52,61.23 2,61.23 ; 4.54,18.72 4.54,21.74 ; 0.52,51.79 2,51.79 ; 0.52,67.48 2,67.48 ; 0.52,27.55 3.24,27.55 ; 8.08,26.64 9.05,26.64 ; 5.76,18.72 5.76,21.7 ; 0.52,35.48 2,35.48 ; 0.52,32.13 2,32.13 ; 0.52,21.46 9.05,21.46 ; 0.52,24.51 1.99,24.51 ; 7.64,82.72 8.6,82.72 ; 0.52,35.17 2,35.17 ; 0.52,19.93 9.05,19.93 ; 5.15,18.72 5.15,21.66
  In1.Cu w0.762: NOREF.4 7.39,82.58 ; NOREF.4 7.39,87.11 ; NOREF.4 2.86,82.58 ; NOREF.4 2.86,87.11 ; NOREF.3 7.52,27.21 ; NOREF.3 2.99,22.69 ; NOREF.3 7.52,22.69 ; NOREF.3 2.99,27.21